# Altium PCB UZ_A_MAX11331_Daughter.PcbDoc (part 4 of 7)
Units mil, origin at the board's own origin, x right, y up, seen from the top; angles counter-clockwise.
Board outline 6811.03 x 3937.01 mil, 6 copper layers (Top Layer, GND, Signal 1, Signal 2, VCC, Bottom Layer), stack 32.112 mil thick; 537 components, 329 nets, 1705 pads, 572 vias.
Unrouted connection lines stored in the file: 272.
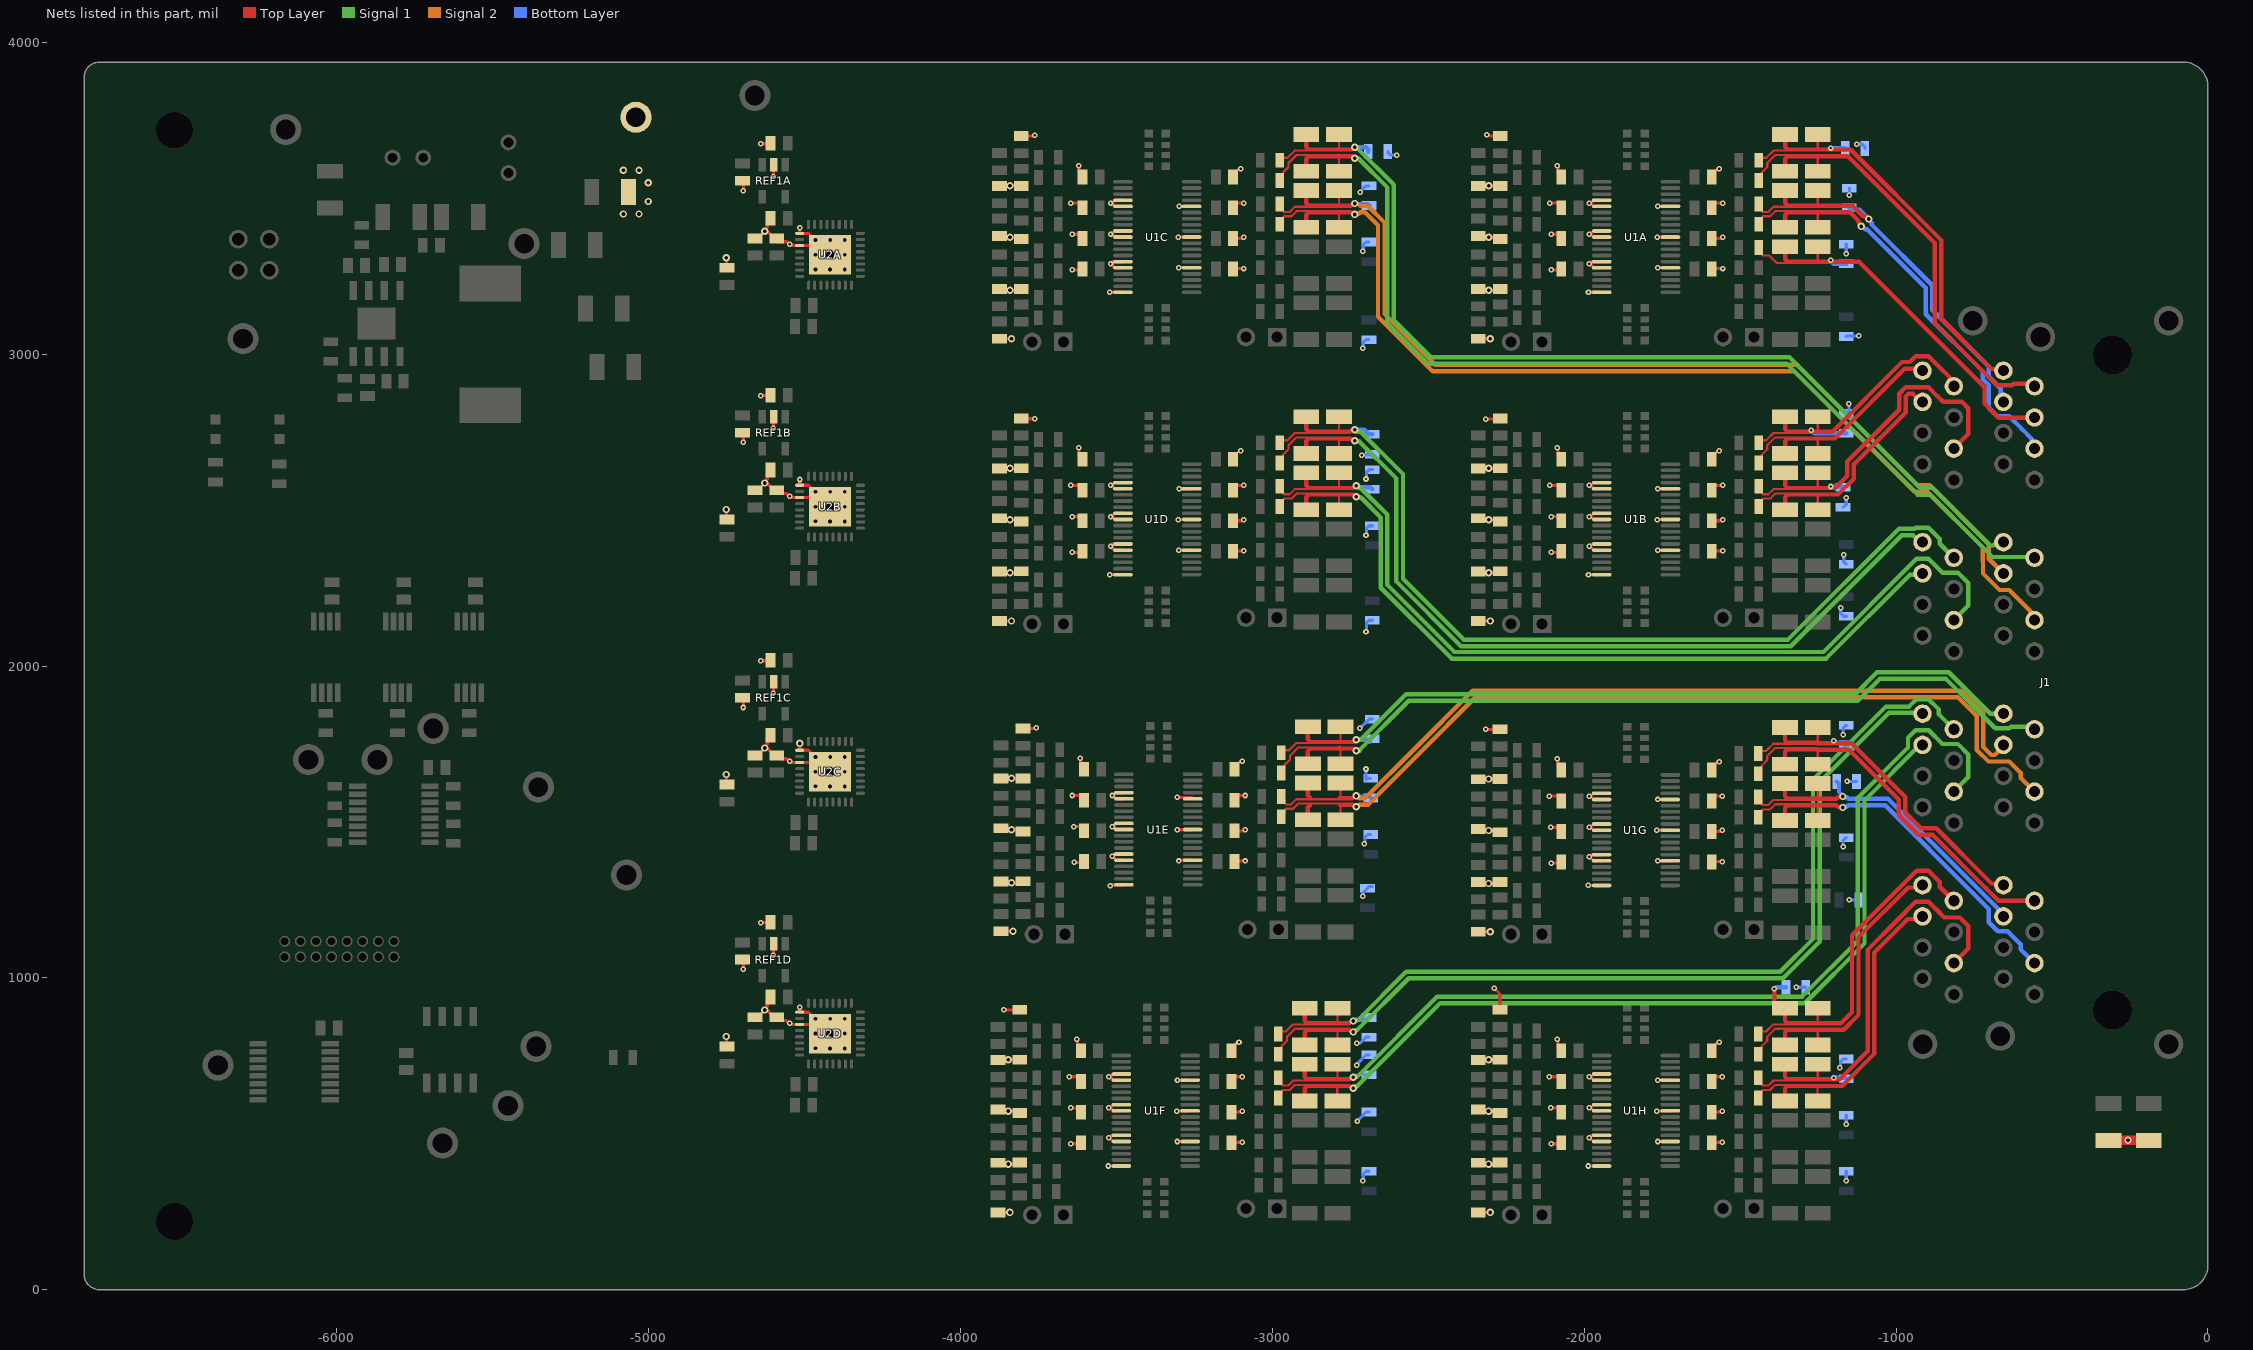
[diagram p8: the nets of this part, all layers, seen from the top]

## Via types
v1: diameter 17.72, hole 7.87, Top Layer to Bottom Layer, tented both sides, 359 vias
v2: diameter 23.62, hole 11.81, Top Layer to Bottom Layer, tented both sides, 171 vias
v3: diameter 27.56, hole 11.81, Top Layer to Bottom Layer, tented bottom, 32 vias
v4: diameter 19.68, hole 7.87, Top Layer to Bottom Layer, tented bottom, 6 vias
v5: diameter 51.18, hole 27.56, Top Layer to Bottom Layer, 4 vias

## Nets (pads, with @x,y where several pads share a name; then routed paths per layer and width w, separated by ;. In a path a pad name is that pad's centre, name@x,y a point inside that pad or via, vN(x,y) a via of type N, cw(c..) or ccw(c..) an arc to the next point about the centre after c; other vN are vias at no path point) (continued)
AGND: BS5.2 C1.2 C2A.1 C2B.1 C2C.1 C2D.1 C2E.1 C2F.1 C2G.1 C2H.1 C5A.2 C5B.2 C5C.2 C5D.2 C5E.2 C5F.2 C5G.2 C5H.2 C6A.1 C6B.1 C6C.1 C6D.1 C6E.1 C6F.1 C6G.1 C6H.1 C9A.2 C9B.2 C9C.2 C9D.2 C9E.2 C9F.2 C9G.2 C9H.2 C10A.1 C10B.1 C10C.1 C10D.1 C10E.1 C10F.1 C10G.1 C10H.1 C13A.2 C13B.2 C13C.2 C13D.2 C13E.2 C13F.2 C13G.2 C13H.2 C14A.2 C14B.2 C14C.2 C14D.2 C14E.2 C14F.2 C14G.2 C14H.2 C15A.2 C15B.2 C15C.2 C15D.2 C15E.2 C15F.2 C15G.2 C15H.2 C16A.2 C16B.2 C16C.2 C16D.2 C16E.2 C16F.2 C16G.2 C16H.2 C17A.2 C17B.2 C17C.2 C17D.2 C17E.2 C17F.2 C17G.2 C17H.2 C18A.1 C18B.1 C18C.1 C18D.1 C18E.1 C18F.1 C18G.1 C18H.1 C21A.2 C21B.2 C21C.2 C21D.2 C21E.2 C21F.2 C21G.2 C21H.2 C22A.1 C22B.1 C22C.1 C22D.1 C22E.1 C22F.1 C22G.1 C22H.1 C23A.1 C23B.1 C23C.1 C23D.1 C23E.1 C23F.1 C23G.1 C23H.1 C24A.1 C24B.1 C24C.1 C24D.1 C24E.1 C24F.1 C24G.1 C24H.1 C25A.1 C25B.1 C25C.1 C25D.1 C25E.1 C25F.1 C25G.1 C25H.1 C26A.2 C26B.2 C26C.2 C26D.2 C27A.2 C27B.2 C27C.2 C27D.2 C28A.2 C28B.2 C28C.2 C28D.2 C30A.1 C30B.1 C30C.1 C30D.1 C31A.2 C31B.2 C31C.2 C31D.2 C32A.2 C32B.2 C32C.2 C32D.2 R1.2 R39A.2 R39B.2 R39C.2 R39D.2 R39E.2 R39F.2 R39G.2 R39H.2 R40A.2 R40B.2 R40C.2 R40D.2 R40E.2 R40F.2 R40G.2 R40H.2 R41A.2 R41B.2 R41C.2 R41D.2 R41E.2 R41F.2 R41G.2 R41H.2 R42A.2 R42B.2 R42C.2 R42D.2 R42E.2 R42F.2 R42G.2 R42H.2 REF1A.2 REF1B.2 REF1C.2 REF1D.2 TP5.1 U1A.5 U1A.10 U1A.15 U1A.23 U1A.24 U1A.28 U1A.29 U1A.33 U1A.34 U1A.38 U1B.5 U1B.10 U1B.15 U1B.23 U1B.24 U1B.28 U1B.29 U1B.33 U1B.34 U1B.38 U1C.5 U1C.10 U1C.15 U1C.23 U1C.24 U1C.28 U1C.29 U1C.33 U1C.34 U1C.38 U1D.5 U1D.10 U1D.15 U1D.23 U1D.24 U1D.28 U1D.29 U1D.33 U1D.34 U1D.38 U1E.5 U1E.10 U1E.15 U1E.23 U1E.24 U1E.28 U1E.29 U1E.33 U1E.34 U1E.38 U1F.5 U1F.10 U1F.15 U1F.23 U1F.24 U1F.28 U1F.29 U1F.33 U1F.34 U1F.38 U1G.5 U1G.10 U1G.15 U1G.23 U1G.24 U1G.28 U1G.29 U1G.33 U1G.34 U1G.38 U1H.5 U1H.10 U1H.15 U1H.23 U1H.24 U1H.28 U1H.29 U1H.33 U1H.34 U1H.38 U2A.17 U2A.19 U2A.33 U2B.17 U2B.19 U2B.33 U2C.17 U2C.19 U2C.33 U2D.17 U2D.19 U2D.33 | length 12289.1
  Top Layer w10: v2(-4751.42,812.2) -4751.42,781.69 C30D.1@-4749.57,779.84 ; v2(-4751.42,1652.2) -4751.42,1621.69 C30C.1@-4749.57,1619.84 ; v2(-4751.42,2502.2) -4751.42,2471.69 C30B.1@-4749.57,2469.84 ; v2(-4751.42,3310) -4751.42,3279.49 C30A.1@-4749.57,3277.64 ; C28D.2@-4699.34,1058.54 -4696.42,1055.63 v1(-4696.42,1027.2) ; C28C.2@-4699.34,1898.54 -4696.42,1895.63 v1(-4696.42,1867.2) ; C28B.2@-4699.34,2748.54 -4696.42,2745.63 v1(-4696.42,2717.2) ; C28A.2@-4699.34,3556.34 -4696.42,3553.43 v1(-4696.42,3525) ; C26D.2@-4659.34,873.66 -4651.46,873.66 v2(-4627.92,897.2) ; C26C.2@-4659.34,1713.66 -4651.46,1713.66 v2(-4627.92,1737.2) ; C26B.2@-4659.34,2563.66 -4651.46,2563.66 v2(-4627.92,2587.2) ; C26A.2@-4659.34,3371.46 -4651.46,3371.46 v2(-4627.92,3395) ; v1(-4641.42,1177.2) -4610.68,1177.2 C31D.2@-4609.34,1178.54 ; v1(-4641.42,2017.2) -4610.68,2017.2 C31C.2@-4609.34,2018.54 ; v1(-4641.42,2867.2) -4610.68,2867.2 C31B.2@-4609.34,2868.54 ; v1(-4641.42,3675) -4610.68,3675 C31A.2@-4609.34,3676.34 ; C32D.2@-4609.34,938.54 -4620.08,927.8 -4620.08,908.73 -4627.92,900.89 v2(-4627.92,897.2) ; C32C.2@-4609.34,1778.54 -4620.08,1767.8 -4620.08,1748.73 -4627.92,1740.89 v2(-4627.92,1737.2) ; C32B.2@-4609.34,2628.54 -4620.08,2617.8 -4620.08,2598.73 -4627.92,2590.89 v2(-4627.92,2587.2) ; C32A.2@-4609.34,3436.34 -4620.08,3425.59 -4620.08,3406.52 -4627.92,3398.69 v2(-4627.92,3395) ; v1(-4601.42,1072.2) -4600.38,1073.25 -4600.38,1108.68 REF1D.2@-4599.34,1109.72 ; v1(-4601.42,1912.2) -4600.38,1913.25 -4600.38,1948.68 REF1C.2@-4599.34,1949.72 ; v1(-4601.42,2762.2) -4600.38,2763.25 -4600.38,2798.68 REF1B.2@-4599.34,2799.72 ; v1(-4601.42,3570) -4600.38,3571.04 -4600.38,3606.48 REF1A.2@-4599.34,3607.52 ; v1@-4548.01,1694.8 v1(-4547.76,1694.8) ; U2D.17@-4516.31,890 U2D.17@-4516.11,890 ; U2C.17@-4516.31,1730 U2C.17@-4516.11,1730 ; U2B.17@-4516.31,2580 U2B.17@-4516.11,2580 ; U2A.17@-4516.31,3387.8 U2A.17@-4516.11,3387.8 ; v1(-4515.75,905.51) -4516.03,905.24 -4516.03,890.08 U2D.17@-4516.11,890 ; v2(-4515.75,1751.97) -4516.03,1751.69 -4516.03,1730.08 U2C.17@-4516.11,1730 ; v1(-4515.75,2598.43) -4516.03,2598.15 -4516.03,2580.08 U2B.17@-4516.11,2580 ; v1(-4515.75,3405.51) -4516.03,3405.24 -4516.03,3387.87 U2A.17@-4516.11,3387.8 ; C2F.1@-3880.28,247.76 -3880.08,247.95 v2(-3841.9,247.95) ; C5F.2@-3880.28,407.24 -3875.99,402.95 v2(-3846.9,402.95) -3815.08,402.95 C6F.1@-3810.28,407.76 ; C10F.1@-3880.28,577.76 -3875.48,572.95 v2(-3846.9,572.95) -3815.99,572.95 C9F.2@-3810.28,567.24 ; C13F.2@-3880.28,737.24 -3879.57,737.95 v2(-3846.9,737.95) -3810.48,737.95 C18F.1@-3810.28,737.76 ; C2D.1@-3875.24,2144.29 -3875.05,2144.49 v2(-3836.86,2144.49) ; C5D.2@-3875.24,2303.78 -3870.95,2299.49 v2(-3841.86,2299.49) -3810.05,2299.49 C6D.1@-3805.24,2304.29 ; C10D.1@-3875.24,2474.29 -3870.44,2469.49 v2(-3841.86,2469.49) -3810.95,2469.49 C9D.2@-3805.24,2463.78 ; C13D.2@-3875.24,2633.78 -3874.53,2634.49 v2(-3841.86,2634.49) -3805.44,2634.49 C18D.1@-3805.24,2634.29 ; C2C.1@-3875.24,3049.8 -3875.05,3050 v2(-3836.86,3050) ; C5C.2@-3875.24,3209.29 -3870.95,3205 v2(-3841.86,3205) -3810.05,3205 C6C.1@-3805.24,3209.8 ; C10C.1@-3875.24,3379.8 -3870.44,3375 v2(-3841.86,3375) -3810.95,3375 C9C.2@-3805.24,3369.29 ; C13C.2@-3875.24,3539.29 -3874.53,3540 v2(-3841.86,3540) -3805.44,3540 C18C.1@-3805.24,3539.8 ; C2E.1@-3870.23,1149.8 -3870.04,1150 v2(-3831.85,1150) ; C5E.2@-3870.23,1309.29 -3865.94,1305 v2(-3836.85,1305) -3805.04,1305 C6E.1@-3800.23,1309.8 ; C10E.1@-3870.23,1479.8 -3865.43,1475 v2(-3836.85,1475) -3805.94,1475 C9E.2@-3800.23,1469.29 ; C13E.2@-3870.23,1639.29 -3869.53,1640 v2(-3836.85,1640) -3800.43,1640 C18E.1@-3800.23,1639.8 ; v1(-3862.21,897.64) C21F.2@-3810.28,897.64 ; C21D.2@-3805.24,2794.17 -3804.38,2793.31 v1(-3762.8,2793.31) ; C21C.2@-3805.24,3699.69 -3766.98,3699.69 -3763.91,3702.76 v1(-3761.82,3702.76) ; C21E.2@-3800.23,1799.69 -3761.97,1799.69 -3758.9,1802.76 v1(-3756.81,1802.76) ; v1(-3651.9,682.95) -3624.83,682.95 -3614.08,672.2 C15F.2@-3614.08,667.58 ; v1(-3646.9,582.95) -3624.83,582.95 -3614.08,572.2 C16F.2@-3614.08,569.53 ; v1(-3646.86,2579.49) -3619.79,2579.49 -3609.05,2568.74 C15D.2@-3609.05,2564.12 ; v1(-3646.86,3485) -3619.79,3485 -3609.05,3474.25 C15C.2@-3609.05,3469.63 ; v1(-3646.35,468.3) -3617.21,468.3 C17F.2@-3614.08,471.42 ; v1(-3641.86,2479.49) -3619.79,2479.49 -3609.05,2468.74 C16D.2@-3609.05,2466.07 ; v1(-3641.86,3385) -3619.79,3385 -3609.05,3374.25 C16C.2@-3609.05,3371.58 ; v1(-3641.85,1585) -3614.79,1585 -3604.04,1574.25 C15E.2@-3604.04,1569.63 ; v1(-3641.31,2364.83) -3612.17,2364.83 C17D.2@-3609.05,2367.95 ; v1(-3641.31,3270.34) -3612.17,3270.34 C17C.2@-3609.05,3273.46 ; v1(-3636.85,1485) -3614.79,1485 -3604.04,1474.25 C16E.2@-3604.04,1471.58 ; v1(-3636.3,1370.34) -3607.16,1370.34 C17E.2@-3604.04,1373.46 ; v1(-3626.9,802.95) -3626.9,800.86 -3624.83,798.8 -3624.83,777.44 C14F.2@-3614.08,766.69 ; v1(-3621.86,2699.49) -3621.86,2697.4 -3619.79,2695.34 -3619.79,2673.98 C14D.2@-3609.05,2663.23 ; v1(-3621.86,3605) -3621.86,3602.91 -3619.79,3600.85 -3619.79,3579.49 C14C.2@-3609.05,3568.74 ; v1(-3616.85,1705) -3616.85,1702.91 -3614.79,1700.85 -3614.79,1679.49 C14E.2@-3604.04,1668.74 ; v1(-3526.9,396.78) -3526.81,396.7 -3484.5,396.7 U1F.38@-3484.42,396.61 ; v1(-3521.86,2293.32) -3521.77,2293.23 -3479.46,2293.23 U1D.38@-3479.38,2293.15 ; v1(-3521.86,3198.83) -3521.77,3198.75 U1C.38@-3479.38,3198.66 U1C.38@-3479.38,3198.66 ; v1(-3520,1295) -3516.25,1298.75 -3474.45,1298.75 U1E.38@-3474.37,1298.66 ; U1F.34@-3484.42,475.35 -3510.5,475.35 -3523.09,487.95 v1(-3524.36,487.95) -3517.62,494.69 -3484.76,494.69 U1F.33@-3484.42,495.04 ; U1F.29@-3484.42,573.78 -3510.5,573.78 -3518.19,581.48 -3522.88,581.48 v1(-3524.36,582.95) -3519.64,587.67 -3516.29,587.67 -3510.5,593.46 U1F.28@-3484.42,593.46 ; U1F.24@-3484.42,672.2 -3510.5,672.2 -3519.77,681.48 -3522.88,681.48 v1(-3524.36,682.95) -3522.88,684.43 -3517.96,684.43 -3510.5,691.89 U1F.23@-3484.42,691.89 ; U1D.34@-3479.38,2371.89 -3505.46,2371.89 -3518.06,2384.49 v1(-3519.32,2384.49) -3512.58,2391.23 -3479.72,2391.23 U1D.33@-3479.38,2391.57 ; U1D.29@-3479.38,2470.31 -3505.46,2470.31 -3513.15,2478.01 -3517.84,2478.01 v1(-3519.32,2479.49) -3514.6,2484.21 -3511.25,2484.21 -3505.46,2490 U1D.28@-3479.38,2490 ; U1D.24@-3479.38,2568.74 -3505.46,2568.74 -3514.73,2578.01 -3517.84,2578.01 v1(-3519.32,2579.49) -3517.84,2580.96 -3512.92,2580.96 -3505.46,2588.43 U1D.23@-3479.38,2588.43 ; U1C.34@-3479.38,3277.4 -3505.46,3277.4 -3518.06,3290 v1(-3519.32,3290) -3512.58,3296.74 -3479.72,3296.74 U1C.33@-3479.38,3297.09 ; U1C.29@-3479.38,3375.83 -3505.46,3375.83 -3513.15,3383.52 -3517.84,3383.52 v1(-3519.32,3385) -3514.6,3389.72 -3511.25,3389.72 -3505.46,3395.51 U1C.28@-3479.38,3395.51 ; U1C.24@-3479.38,3474.25 -3505.46,3474.25 -3514.73,3483.52 -3517.84,3483.52 v1(-3519.32,3485) -3517.84,3486.48 -3512.92,3486.48 -3505.46,3493.94 U1C.23@-3479.38,3493.94 ; U1E.34@-3474.37,1377.4 -3500.45,1377.4 -3513.05,1390 v1(-3514.31,1390) -3507.57,1396.74 -3474.71,1396.74 U1E.33@-3474.37,1397.09 ; U1E.29@-3474.37,1475.83 -3500.45,1475.83 -3508.15,1483.52 -3512.84,1483.52 v1(-3514.31,1485) -3509.59,1489.72 -3506.24,1489.72 -3500.45,1495.51 U1E.28@-3474.37,1495.51 ; U1E.24@-3474.37,1574.25 -3500.45,1574.25 -3509.72,1583.52 -3512.84,1583.52 v1(-3514.31,1585) -3512.84,1586.48 -3507.91,1586.48 -3500.45,1593.94 U1E.23@-3474.37,1593.94 ; v1(-3306.9,572.95) -3306.42,573.43 -3264.29,573.43 U1F.10@-3263.94,573.78 ; v1(-3305,1475) -3254.72,1475 U1E.10@-3253.9,1475.83 ; v1(-3305,1580) -3303.03,1578.03 -3257.68,1578.03 U1E.15@-3253.9,1574.25 ; v1(-3304.87,475.35) -3304.52,475.7 -3264.29,475.7 U1F.5@-3263.94,475.35 ; v1(-3304.56,672.2) U1F.15@-3263.94,672.2 ; v1(-3301.86,2469.49) -3301.38,2469.97 -3259.25,2469.97 U1D.10@-3258.9,2470.31 ; v1(-3301.86,3375) -3301.38,3375.48 -3259.25,3375.48 U1C.10@-3258.9,3375.83 ; v1(-3300,1375) -3297.22,1375 -3294.48,1377.75 -3254.24,1377.75 U1E.5@-3253.9,1377.4 ; v1(-3299.83,2371.89) -3299.48,2372.24 -3259.25,2372.24 U1D.5@-3258.9,2371.89 ; v1(-3299.83,3277.4) -3299.48,3277.75 -3259.25,3277.75 U1C.5@-3258.9,3277.4 ; v1(-3299.52,2568.74) U1D.15@-3258.9,2568.74 ; v1(-3299.52,3474.25) U1C.15@-3258.9,3474.25 ; C25F.1@-3131.42,471.42 -3129.89,472.95 v1(-3096.9,472.95) ; C24F.1@-3131.42,569.53 -3102.41,569.53 -3098.98,572.95 v1(-3096.9,572.95) ; C23F.1@-3131.42,667.58 -3131.42,672.2 -3120.67,682.95 v1(-3096.9,682.95) ; C22F.1@-3131.42,766.69 -3131.42,774.57 -3114.13,791.86 -3108.75,791.86 v1(-3107.28,793.34) ; C25D.1@-3126.38,2367.95 -3124.85,2369.49 v1(-3091.86,2369.49) ; C24D.1@-3126.38,2466.07 -3097.37,2466.07 -3093.94,2469.49 v1(-3091.86,2469.49) ; C23D.1@-3126.38,2564.12 -3126.38,2568.74 -3115.64,2579.49 v1(-3091.86,2579.49) ; C22D.1@-3126.38,2663.23 -3126.38,2671.1 -3109.09,2688.39 -3103.72,2688.39 v1(-3102.24,2689.87) ; C25C.1@-3126.38,3273.46 -3124.85,3275 v1(-3091.86,3275) ; C24C.1@-3126.38,3371.58 -3097.37,3371.58 -3093.94,3375 v1(-3091.86,3375) ; C23C.1@-3126.38,3469.63 -3126.38,3474.25 -3115.64,3485 v1(-3091.86,3485) ; C22C.1@-3126.38,3568.74 -3126.38,3576.61 -3109.09,3593.91 -3103.72,3593.91 v1(-3102.24,3595.38) ; C25E.1@-3121.38,1373.46 -3119.84,1375 v1(-3086.85,1375) ; C24E.1@-3121.38,1471.58 -3092.36,1471.58 -3088.94,1475 v1(-3086.85,1475) ; C23E.1@-3121.38,1569.63 -3121.38,1574.25 -3110.63,1585 v1(-3086.85,1585) ; C22E.1@-3121.38,1668.74 -3121.38,1676.61 -3104.08,1693.91 -3098.71,1693.91 v1(-3097.23,1695.38) ; C2H.1@-2340.28,247.76 -2340.08,247.95 v2(-2301.9,247.95) ; C5H.2@-2340.28,407.24 -2335.99,402.95 v2(-2306.9,402.95) -2275.08,402.95 C6H.1@-2270.28,407.76 ; C10H.1@-2340.28,577.76 -2335.48,572.95 v2(-2306.9,572.95) -2275.99,572.95 C9H.2@-2270.28,567.24 ; C13H.2@-2340.28,737.24 -2339.57,737.95 v2(-2306.9,737.95) -2270.48,737.95 C18H.1@-2270.28,737.76 ; C2G.1@-2340.28,1147.76 -2340.08,1147.95 v2(-2301.9,1147.95) ; C5G.2@-2340.28,1307.24 -2335.99,1302.95 v2(-2306.9,1302.95) -2275.08,1302.95 C6G.1@-2270.28,1307.76 ; C10G.1@-2340.28,1477.76 -2335.48,1472.95 v2(-2306.9,1472.95) -2275.99,1472.95 C9G.2@-2270.28,1467.24 ; C13G.2@-2340.28,1637.24 -2339.57,1637.95 v2(-2306.9,1637.95) -2270.48,1637.95 C18G.1@-2270.28,1637.76 ; C2B.1@-2339.81,2144.29 -2339.61,2144.49 v2(-2301.42,2144.49) ; C5B.2@-2339.81,2303.78 -2335.52,2299.49 v2(-2306.42,2299.49) -2274.61,2299.49 C6B.1@-2269.81,2304.29 ; C10B.1@-2339.81,2474.29 -2335.01,2469.49 v2(-2306.42,2469.49) -2275.52,2469.49 C9B.2@-2269.81,2463.78 ; C13B.2@-2339.81,2633.78 -2339.1,2634.49 v2(-2306.42,2634.49) -2270.01,2634.49 C18B.1@-2269.81,2634.29 ; C2A.1@-2339.81,3049.8 -2339.61,3050 v2(-2301.42,3050) ; C5A.2@-2339.81,3209.29 -2335.52,3205 v2(-2306.42,3205) -2274.61,3205 C6A.1@-2269.81,3209.8 ; C10A.1@-2339.81,3379.8 -2335.01,3375 v2(-2306.42,3375) -2275.52,3375 C9A.2@-2269.81,3369.29 ; C13A.2@-2339.81,3539.29 -2339.1,3540 v2(-2306.42,3540) -2270.01,3540 C18A.1@-2269.81,3539.8 ; v1(-2315.95,1797.24) -2270.68,1797.24 C21G.2@-2270.28,1797.64 ; v1(-2315.95,2792.32) -2271.66,2792.32 C21B.2@-2269.81,2794.17 ; v1(-2312.01,3703.74) -2309.93,3703.74 -2305.87,3699.69 C21A.2@-2269.81,3699.69 ; v1(-2288.39,966.54) -2270.28,948.43 C21H.2@-2270.28,897.64 ; v1(-2111.9,682.95) -2084.83,682.95 -2074.08,672.2 C15H.2@-2074.08,667.58 ; v1(-2111.9,1582.95) -2084.83,1582.95 -2074.08,1572.2 C15G.2@-2074.08,1567.58 ; v1(-2111.42,2579.49) -2084.36,2579.49 -2073.61,2568.74 C15B.2@-2073.61,2564.12 ; v1(-2111.42,3485) -2084.36,3485 -2073.61,3474.25 C15A.2@-2073.61,3469.63 ; v1(-2106.9,582.95) -2084.83,582.95 -2074.08,572.2 C16H.2@-2074.08,569.53 ; v1(-2106.9,1482.95) -2084.83,1482.95 -2074.08,1472.2 C16G.2@-2074.08,1469.53 ; v1(-2106.42,2479.49) -2084.36,2479.49 -2073.61,2468.74 C16B.2@-2073.61,2466.07 ; v1(-2106.42,3385) -2084.36,3385 -2073.61,3374.25 C16A.2@-2073.61,3371.58 ; v1(-2106.35,468.3) -2077.21,468.3 C17H.2@-2074.08,471.42 ; v1(-2106.35,1368.3) -2077.21,1368.3 C17G.2@-2074.08,1371.42 ; v1(-2105.87,2364.83) -2076.73,2364.83 C17B.2@-2073.61,2367.95 ; v1(-2105.87,3270.34) -2076.73,3270.34 C17A.2@-2073.61,3273.46 ; v1(-2086.9,802.95) -2086.9,800.86 -2084.83,798.8 -2084.83,777.44 C14H.2@-2074.08,766.69 ; v1(-2086.9,1702.95) -2086.9,1700.86 -2084.83,1698.8 -2084.83,1677.44 C14G.2@-2074.08,1666.69 ; v1(-2086.42,2699.49) -2086.42,2697.4 -2084.36,2695.34 -2084.36,2673.98 C14B.2@-2073.61,2663.23 ; v1(-2086.42,3605) -2086.42,3602.91 -2084.36,3600.85 -2084.36,3579.49 C14A.2@-2073.61,3568.74 ; v1(-1986.9,396.78) -1986.81,396.7 -1944.5,396.7 U1H.38@-1944.42,396.61 ; v1(-1986.9,1296.78) -1986.81,1296.7 -1944.5,1296.7 U1G.38@-1944.42,1296.61 ; v1(-1986.42,2293.32) -1986.34,2293.23 -1944.03,2293.23 U1B.38@-1943.94,2293.15 ; v1(-1986.42,3198.83) -1986.34,3198.75 -1944.03,3198.75 U1A.38@-1943.94,3198.66 ; U1H.34@-1944.42,475.35 -1970.5,475.35 -1983.09,487.95 v1(-1984.36,487.95) -1977.62,494.69 -1944.76,494.69 U1H.33@-1944.42,495.04 ; U1H.29@-1944.42,573.78 -1970.5,573.78 -1978.19,581.48 -1982.88,581.48 v1(-1984.36,582.95) -1979.64,587.67 -1976.29,587.67 -1970.5,593.46 U1H.28@-1944.42,593.46 ; U1H.24@-1944.42,672.2 -1970.5,672.2 -1979.77,681.48 -1982.88,681.48 v1(-1984.36,682.95) -1982.88,684.43 -1977.96,684.43 -1970.5,691.89 U1H.23@-1944.42,691.89 ; U1G.34@-1944.42,1375.35 -1970.5,1375.35 -1983.09,1387.95 v1(-1984.36,1387.95) -1977.62,1394.69 -1944.76,1394.69 U1G.33@-1944.42,1395.04 ; U1G.29@-1944.42,1473.78 -1970.5,1473.78 -1978.19,1481.48 -1982.88,1481.48 v1(-1984.36,1482.95) -1979.64,1487.67 -1976.29,1487.67 -1970.5,1493.46 U1G.28@-1944.42,1493.46 ; U1G.24@-1944.42,1572.2 -1970.5,1572.2 -1979.77,1581.48 -1982.88,1581.48 v1(-1984.36,1582.95) -1982.88,1584.43 -1977.96,1584.43 -1970.5,1591.89 U1G.23@-1944.42,1591.89 ; U1B.34@-1943.94,2371.89 -1970.02,2371.89 -1982.62,2384.49 v1(-1983.89,2384.49) -1977.15,2391.23 -1944.29,2391.23 U1B.33@-1943.94,2391.57 ; U1B.29@-1943.94,2470.31 -1970.02,2470.31 -1977.72,2478.01 -1982.41,2478.01 v1(-1983.89,2479.49) -1979.17,2484.21 -1975.81,2484.21 -1970.02,2490 U1B.28@-1943.94,2490 ; U1B.24@-1943.94,2568.74 -1970.02,2568.74 -1979.3,2578.01 -1982.41,2578.01 v1(-1983.89,2579.49) -1982.41,2580.96 -1977.48,2580.96 -1970.02,2588.43 U1B.23@-1943.94,2588.43 ; U1A.34@-1943.94,3277.4 -1970.02,3277.4 -1982.62,3290 v1(-1983.89,3290) -1977.15,3296.74 -1944.29,3296.74 U1A.33@-1943.94,3297.09 ; U1A.29@-1943.94,3375.83 -1970.02,3375.83 -1977.72,3383.52 -1982.41,3383.52 v1(-1983.89,3385) -1979.17,3389.72 -1975.81,3389.72 -1970.02,3395.51 U1A.28@-1943.94,3395.51 ; U1A.24@-1943.94,3474.25 -1970.02,3474.25 -1979.3,3483.52 -1982.41,3483.52 v1(-1983.89,3485) -1982.41,3486.48 -1977.48,3486.48 -1970.02,3493.94 U1A.23@-1943.94,3493.94 ; v1(-1766.9,572.95) -1766.42,573.43 -1724.29,573.43 U1H.10@-1723.94,573.78 ; v1(-1766.9,1472.95) -1766.42,1473.43 -1724.29,1473.43 U1G.10@-1723.94,1473.78 ; v1(-1766.42,2469.49) -1765.94,2469.97 -1723.82,2469.97 U1B.10@-1723.47,2470.31 ; v1(-1766.42,3375) -1765.94,3375.48 -1723.82,3375.48 U1A.10@-1723.47,3375.83 ; v1(-1764.87,475.35) -1764.52,475.7 -1724.29,475.7 U1H.5@-1723.94,475.35 ; v1(-1764.87,1375.35) -1764.52,1375.7 -1724.29,1375.7 U1G.5@-1723.94,1375.35 ; v1(-1764.56,672.2) U1H.15@-1723.94,672.2 ; v1(-1764.56,1572.2) U1G.15@-1723.94,1572.2 ; v1(-1764.4,2371.89) -1764.05,2372.24 -1723.82,2372.24 U1B.5@-1723.47,2371.89 ; v1(-1764.4,3277.4) -1764.05,3277.75 -1723.82,3277.75 U1A.5@-1723.47,3277.4 ; v1(-1764.09,2568.74) U1B.15@-1723.47,2568.74 ; v1(-1764.09,3474.25) U1A.15@-1723.47,3474.25 ; C25H.1@-1591.42,471.42 -1589.89,472.95 v1(-1556.9,472.95) ; C24H.1@-1591.42,569.53 -1562.41,569.53 -1558.98,572.95 v1(-1556.9,572.95) ; C23H.1@-1591.42,667.58 -1591.42,672.2 -1580.67,682.95 v1(-1556.9,682.95) ; C22H.1@-1591.42,766.69 -1591.42,774.57 -1574.13,791.86 -1568.75,791.86 v1(-1567.28,793.34) ; C25G.1@-1591.42,1371.42 -1589.89,1372.95 v1(-1556.9,1372.95) ; C24G.1@-1591.42,1469.53 -1562.41,1469.53 -1558.98,1472.95 v1(-1556.9,1472.95) ; C23G.1@-1591.42,1567.58 -1591.42,1572.2 -1580.67,1582.95 v1(-1556.9,1582.95) ; C22G.1@-1591.42,1666.69 -1591.42,1674.57 -1574.13,1691.86 -1568.75,1691.86 v1(-1567.28,1693.34) ; C25B.1@-1590.95,2367.95 -1589.41,2369.49 v1(-1556.42,2369.49) ; C24B.1@-1590.95,2466.07 -1561.93,2466.07 -1558.51,2469.49 v1(-1556.42,2469.49) ; C23B.1@-1590.95,2564.12 -1590.95,2568.74 -1580.2,2579.49 v1(-1556.42,2579.49) ; C22B.1@-1590.95,2663.23 -1590.95,2671.1 -1573.66,2688.39 -1568.28,2688.39 v1(-1566.81,2689.87) ; C25A.1@-1590.95,3273.46 -1589.41,3275 v1(-1556.42,3275) ; C24A.1@-1590.95,3371.58 -1561.93,3371.58 -1558.51,3375 v1(-1556.42,3375) ; C23A.1@-1590.95,3469.63 -1590.95,3474.25 -1580.2,3485 v1(-1556.42,3485) ; C22A.1@-1590.95,3568.74 -1590.95,3576.61 -1573.66,3593.91 -1568.28,3593.91 v1(-1566.81,3595.38) ; v2(-4627.92,897.2) -4625.31,894.6 -4618.15,894.6 -4597.21,873.66 C27D.2@-4589.34,873.66 -4578.59,862.91 -4557.96,862.91 -4549.85,854.8 v1(-4547.76,854.8) -4545.67,854.8 -4541.58,850.71 -4516.38,850.71 U2D.19@-4516.31,850.63 U2D.33@-4452.33,850.63 ; v2(-4627.92,1737.2) -4625.31,1734.6 -4618.15,1734.6 -4597.21,1713.66 C27C.2@-4589.34,1713.66 -4578.59,1702.91 -4557.96,1702.91 -4549.61,1694.56 -4548.01,1694.56 -4544.08,1690.63 U2C.19@-4516.31,1690.63 U2C.33@-4452.33,1690.63 ; v2(-4627.92,2587.2) -4625.31,2584.6 -4618.15,2584.6 -4597.21,2563.66 C27B.2@-4589.34,2563.66 -4578.59,2552.91 -4557.96,2552.91 -4549.85,2544.8 v1(-4547.76,2544.8) -4545.67,2544.8 -4541.58,2540.71 -4516.38,2540.71 U2B.19@-4516.31,2540.63 U2B.33@-4452.33,2540.63 ; v2(-4627.92,3395) -4625.31,3392.39 -4618.15,3392.39 -4586.46,3360.71 -4557.96,3360.71 -4550.67,3353.42 v1(-4548.58,3353.42) -4546.49,3353.42 -4541.58,3348.5 -4516.38,3348.5 U2A.19@-4516.31,3348.43 U2A.33@-4452.33,3348.43 ; U2D.17@-4516.11,890 -4487.76,890 -4480.79,883.03 -4480.79,879.09 U2D.33@-4452.33,850.63 ; U2C.17@-4516.11,1730 -4487.76,1730 -4480.79,1723.03 -4480.79,1719.09 U2C.33@-4452.33,1690.63 ; U2B.17@-4516.11,2580 -4487.76,2580 -4480.79,2573.03 -4480.79,2569.09 U2B.33@-4452.33,2540.63 ; U2A.17@-4516.11,3387.8 -4487.76,3387.8 -4480.79,3380.83 -4480.79,3376.89 U2A.33@-4452.33,3348.43 ; U2D.33@-4452.33,850.63 -4448.39,850.63 U2D.33@-4418.86,821.1 -4422.8,821.1 U2D.33@-4452.33,850.63 ; U2C.33@-4452.33,1690.63 -4448.39,1690.63 U2C.33@-4418.86,1661.1 -4422.8,1661.1 U2C.33@-4452.33,1690.63 ; U2B.33@-4452.33,2540.63 -4448.39,2540.63 U2B.33@-4418.86,2511.1 -4422.8,2511.1 U2B.33@-4452.33,2540.63 ; U2A.33@-4452.33,3348.43 -4448.39,3348.43 U2A.33@-4418.86,3318.9 -4422.8,3318.9 U2A.33@-4452.33,3348.43